# Altium PCB AGRSHUB_PCBV1.1.PcbDoc (part 1 of 2) (continued)
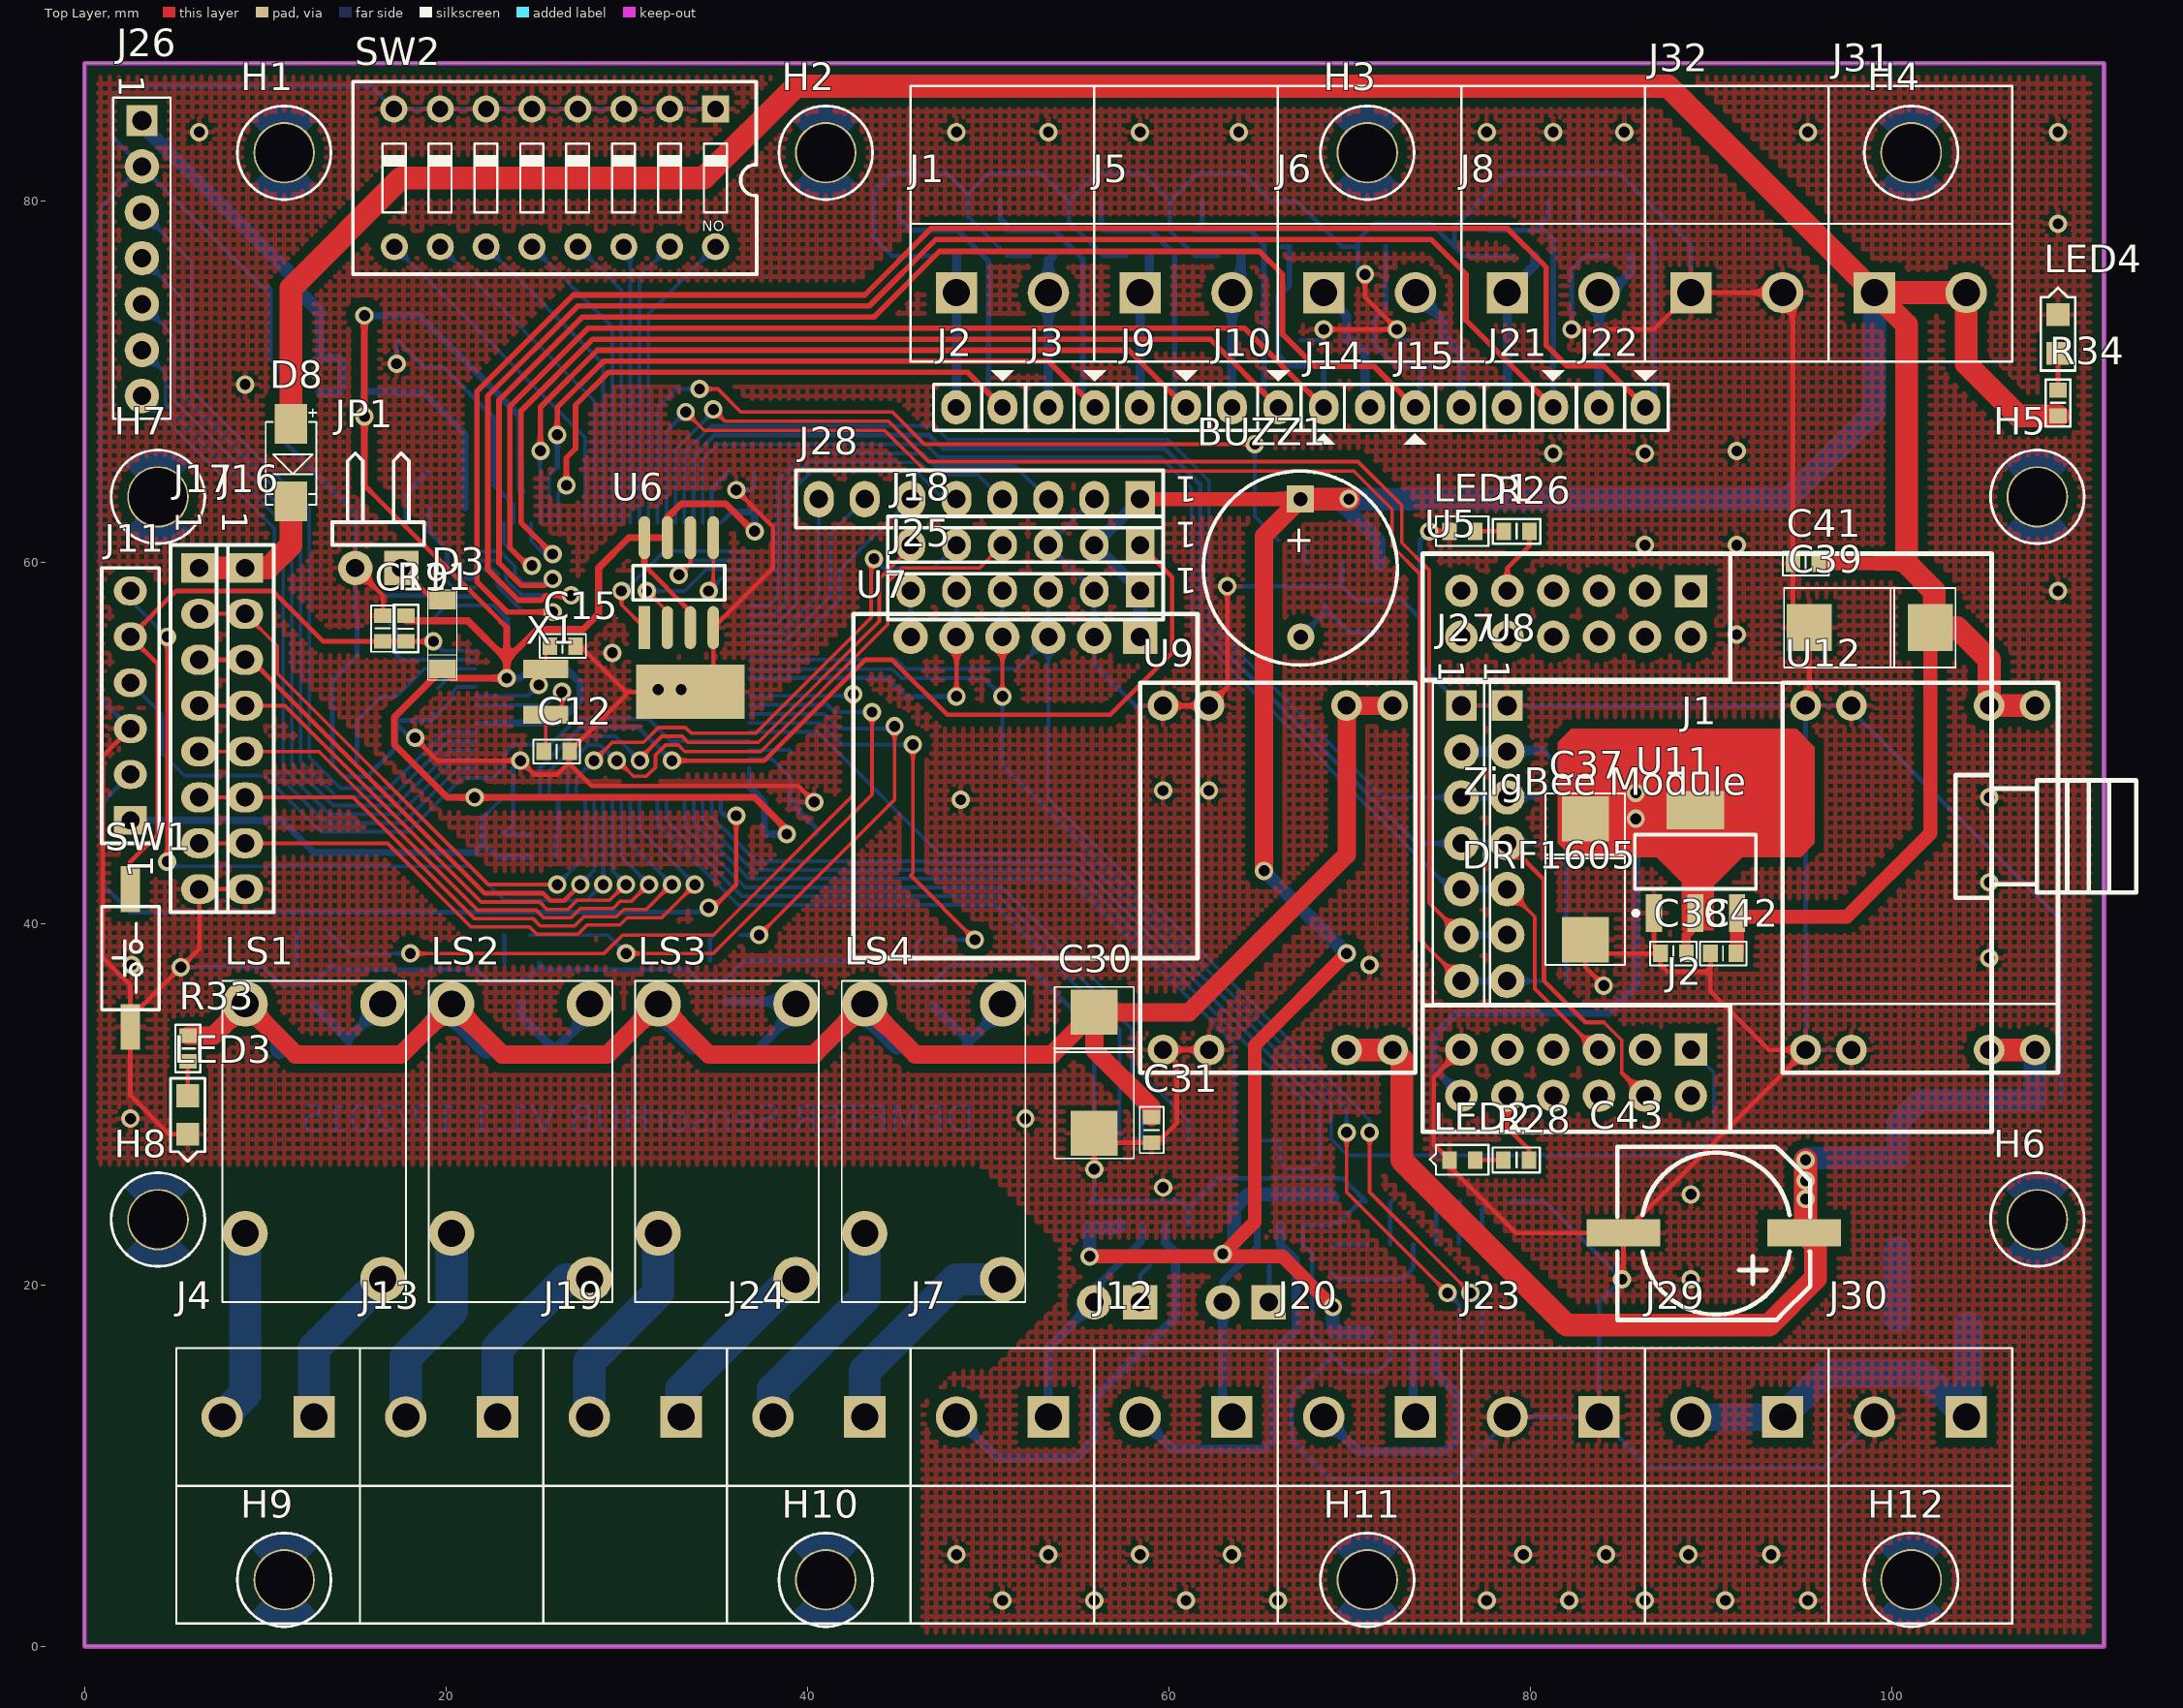
[diagram p0: Top Layer view]
## Components (designator, comment, footprint, x,y, rotation, side; value= is the part's Value field where it differs from the comment) (continued)
U5 "DRF1605" DRF1605 74.05,28.48 r0 top
U6 "MX25L8005MC-15G_SOP-8L" SOIC_8 30.988,56.388 r0 top
U7 "NEO-6M" "UBLOX NEO-6M Breakout" 58.42,55.88 r180 top
U8 "APC320" APC320 78.74,52.07 r270 top
U9 "DC 3A" "DC Mini 3A" 66.04,42.545 r90 top
U10 "XC6209B332MRN_SOT-25" SOT23-5 14.224,70.358 r0 bottom
U11 "LM1117" SOT223_L 89.154,43.434 r90 top
U12 "DC 3A" "DC Mini 3A" 101.6,42.545 r90 top
W1 "Jumper" "HEADER 2" 58.42,19.05 r180 bottom
W3 "Jumper" "HEADER 2" 65.532,19.05 r180 bottom
X1 "Crystal1" "Crystal cylinder" 25.528,51.562 r180 top
Y1 "12MHz_CXA-321" "CRYSTAL 5032" 16.18,53.061 r90 bottom

## Footprints (in the part's own frame and the unit in brackets; to place one, negate y for a bottom-side part, rotate by r counter-clockwise, add the part's x,y. Pads: shape width x height; smd on the part's side, far side on the other; paste and mask are expansions set on the pad)
0805_M [mm] "Chip Resistor, Body 2.0x1.2mm, IPC Low Density"
  rect 1.4x1.5 smd: 1(-1,0) 2(1,0)
  silkscreen extent 0,-0.65 0,0.65, body extent -1.07,-0.7 1.07,0.7, height 0.7
APC320 [mil]
  rect 67x67 hole 42: 1(0,0)
  round 75 / inner round 62 / far side round 75 hole 40: 2(100,0) 3(200,0) 4(300,0) 5(400,0) 6(500,0) 7(600,0)
  silkscreen extent -50,-50 650,1200, body extent -53,-53 652,2013, height 3076
C0603 [mil]
  rect 32x38 smd: 1(-27.56,0) 2(28.44,0)
  silkscreen extent -50,-26 51,26, body extent -31,-16 31,16, height 12
"CAP_AL_SMD (10X10.2)" [mil]
  rect 160x59.03 smd: 1(-196.63,-0.99) 2(196.86,-0.99)
  silkscreen extent -210,-189 210,189, body extent -197,-198 197,196, height 402
CAP_TANTA_SMD_10UF/10V/16V [mm]
  rect 1.2x1.3 smd: 1(0,-1.399) 2(0,1.399)
  silkscreen extent -0.8,-2.2 0.8,2.2, body extent -0.8,-1.7 0.8,1.7, height 1.6
CAP_TANTA_SMD_100UF/16V [mm]
  rect 2.6x2.5 smd: 1(0,-3.347) 2(0,3.347)
  silkscreen extent -2.2,-4.75 2.2,4.75, body extent -2.2,-3.65 2.1,3.85, height 2.8
"CRYSTAL 5032" [mm]
  rect 1.6x1.25 smd: 1(-1.803,-1.092) 2(1.803,-1.092) 3(1.803,1.092) 4(-1.803,1.092)
  silkscreen extent -3.18,-2.2 3.28,2.3
"Crystal cylinder" [mm] "Crystal footsprint type 1"
  rect 2.5x1 smd: 1(0,0) 2(0,-2.54)
  rect 6x3 smd: 3(-8,-1.27)
  body extent -10.02,-2.6 0.53,0.07, height 2.29
"DC Mini 3A" [mm]
  round 1.7 hole 1: 1(-9.525,6.35) 2(-9.525,3.81) 3(-9.525,-3.81) 4(-9.525,-6.35) 5(9.525,-6.35) 6(9.525,-3.81) 7(9.525,3.81) 8(9.525,6.35)
  silkscreen extent -10.79,-7.62 10.79,7.62, body extent -10.39,-7.21 10.39,7.21, height 2.54
DE_VIT [mil]
  round 134 hole 126: 1(0,0)
  Bottom Layer circle w6: c0,0 r102.73
  Bottom Layer region: 10.04,104.52 10.08,104.53 23.08,102.53 23.12,102.51 23.16,102.52 33.16,99.52 33.17,99.51 33.19,99.51 41.19,96.51 41.21,96.49 41.24,96.48 47.24,93.48 53.24,90.48 53.26,90.47 53.28,90.46 58.28,87.46 58.3,87.44 58.32,87.43 62.32,84.43 66.32,81.43 66.35,81.4 66.38,81.38 70.36,77.41 74.32,74.43 74.35,74.4 74.38,74.38 74.45,74.22 74.54,74.08 74.53,74.04 74.54,74 74.48,73.84 74.43,73.68 74.4,73.65 74.38,73.62 47.38,46.62 47,46.46 46.62,46.62 41.64,51.59 37.7,54.55 32.72,57.54 27.77,60.51 21.83,62.49 21.8,62.51 21.76,62.52 17.81,64.49 13.89,65.47 7.96,66.46 -7.96,66.46 -13.88,65.47 -20.83,63.49 -28.76,60.51 -33.71,57.54 -36.7,55.55 -39.7,53.55 -39.73,53.54 -39.76,53.52 -41.68,52.56 -48.62,45.62 -49,45.46 -49.38,45.62 -75.38,71.62 -75.44,71.76 -75.53,71.89 -75.52,71.95 -75.54,72 -75.48,72.15 -75.45,72.3 -73.45,75.3 -73.36,75.36 -73.3,75.45 -70.31,77.44 -66.36,80.41 -61.38,85.38 -61.33,85.4 -61.3,85.45 -55.3,89.45 -55.27,89.46 -55.24,89.48 -45.24,94.48 -35.24,99.48 -35.17,99.49 -35.12,99.53 -26.12,101.53 -26.11,101.53 -26.11,101.53 -16.11,103.53 -16.07,103.52 -16.04,103.54 -3.04,104.54 -3.02,104.53 -3,104.54 10,104.54
  Bottom Layer region: 47.05,-47.48 47.11,-47.47 47.24,-47.56 47.38,-47.62 73.38,-73.62 73.54,-74 73.38,-74.38 66.38,-81.38 66.33,-81.4 66.3,-81.45 63.31,-83.44 59.32,-86.43 59.3,-86.44 59.28,-86.46 54.3,-89.45 50.32,-92.43 50.24,-92.46 50.17,-92.51 44.23,-94.49 39.28,-97.46 39.22,-97.47 39.17,-97.51 33.21,-99.5 31.24,-100.48 31.17,-100.49 31.11,-100.53 26.12,-101.53 22.13,-102.52 18.13,-103.52 18.12,-103.52 18.11,-103.53 13.11,-104.53 13.05,-104.52 13,-104.54 -8,-104.54 -8.04,-104.53 -8.08,-104.54 -15.08,-103.54 -15.09,-103.53 -15.11,-103.53 -25.11,-101.53 -25.13,-101.52 -25.15,-101.52 -32.15,-99.52 -32.17,-99.51 -32.19,-99.51 -40.19,-96.51 -40.21,-96.49 -40.24,-96.48 -46.24,-93.48 -54.24,-89.48 -54.26,-89.47 -54.28,-89.46 -59.28,-86.46 -59.3,-86.43 -59.35,-86.42 -65.34,-81.42 -69.31,-78.44 -72.3,-76.45 -72.33,-76.4 -72.38,-76.38 -74.38,-74.38 -74.54,-74 -74.38,-73.62 -48.38,-47.62 -48.27,-47.57 -48.17,-47.49 -48.08,-47.49 -48,-47.46 -47.88,-47.51 -47.76,-47.52 -45.76,-48.52 -45.7,-48.58 -45.62,-48.62 -43.66,-50.58 -40.7,-52.55 -40.67,-52.6 -40.62,-52.62 -38.66,-54.58 -35.73,-56.53 -33.79,-57.5 -30.83,-58.49 -30.8,-58.51 -30.76,-58.52 -26.78,-60.51 -21.8,-62.5 -16.85,-64.48 -11.89,-65.47 -11.88,-65.48 -11.87,-65.48 -7.93,-66.46 6.96,-66.46 12.89,-65.47 16.87,-64.48 20.83,-63.48 25.78,-61.51 29.74,-59.53 34.72,-56.54 34.72,-56.54 39.66,-53.57 43.62,-49.62 43.67,-49.6 43.7,-49.55 46.7,-47.55 46.85,-47.52 47,-47.46
  silkscreen extent -102,-102 102,102
DIPSW8N [mm] "DIPS SWITCHES 8"
  rect 1.5x1.5 hole 0.9: 1(-0.011,0.001)
  round 1.5 hole 0.9: 2(2.529,0.001) 3(5.069,0.001) 4(7.609,0.001) 5(10.149,0.001) 6(12.689,0.001) 7(15.229,0.001) 8(17.789,0.001) 9(17.769,7.621) 10(15.229,7.621) 11(12.689,7.621) 12(10.149,7.621) 13(7.609,7.621) 14(5.069,7.621) 15(2.529,7.621) 16(-0.011,7.621)
  silkscreen extent -2.29,-1.52 20.07,9.14, body extent -2.01,-1.24 19.89,8.92, height 6.9
"DO-214AC (SMA)" [mm]
  rect 2.2x1.8 smd: 1(-2.148,0) 2(2.148,0)
  silkscreen extent -2.95,-1.4 2.35,1.4, body extent -2.55,-1.3 2.65,1.3, height 2.3
DO_213AA [mm]
  rect 1x1.499 smd: 1(-1.898,0) 2(1.898,0)
  silkscreen extent -2.5,-0.8 2.5,0.8, body extent -1.85,-0.8 1.85,0.8, height 1.63
"DOMINO BIG 2 STAND" [mil]
  rect 90x90 hole 59.03: 1(-100,0)
  round 90 hole 59.03: 2(100,0)
  silkscreen extent -200,-150 200,450
DRF1605 [mm]
  rect 1.8x1.8 hole 1: 1(14.85,29.925) 13(14.85,4.55)
  round 1.8 hole 1: 2(14.85,27.4) 3(12.31,29.95) 4(12.31,27.4) 5(9.77,29.95) 6(9.77,27.4) 7(7.23,29.95) 8(7.23,27.4) 9(4.69,29.95) 10(4.69,27.4) 11(2.15,29.95) 12(2.15,27.4) 14(14.85,2) 15(12.31,4.55) 16(12.31,2) 17(9.77,4.55) 18(9.77,2) 19(7.23,4.55) 20(7.23,2) 21(4.69,4.55) 22(4.69,2) 23(2.15,4.55) 24(2.15,2)
  silkscreen extent 0,0 39.5,32
"HEADER 2" [mil]
  rect 75x75 / inner round 62 / far side rect 75x75 hole 40: 1(0,0)
  round 75 / inner round 62 / far side round 75 hole 40: 2(100,0)
  silkscreen extent -63,-63 162,63
"Header 2-V" [mil] "Connector; Header; 2 Position; Vertical; Solder Pad 35mil"
  rect 75x75 hole 40: 1(0,0)
  round 75 hole 40: 2(100,0)
  silkscreen extent -50,-250 150,-50, body extent -50,-276 150,50, height 171
"HEADER 6" [mil]
  rect 62.99x72 hole 39: 1(0,0)
  oval 62.99x72 hole 39: 2(100,0) 3(200,0) 4(300,0) 5(400,0) 6(500,0)
  silkscreen extent -50,-62 550,63
"HEADER 7" [mil]
  rect 67x67 hole 42: 1(0,0)
  round 75 / inner round 62 / far side round 75 hole 40: 2(100,0) 3(200,0) 4(300,0) 5(400,0) 6(500,0) 7(600,0)
  silkscreen extent -50,-63 650,63
"HEADER 8" [mil]
  rect 65x79 hole 40: 1(0,0)
  oval 65x79 hole 40: 2(100,0) 3(200,0) 4(300,0) 5(400,0) 6(500,0) 7(600,0) 8(700,0)
  silkscreen extent -50,-63 750,63
JP2 [mil]
  oval 65x75 hole 36: 1(0,0) 2(101,0)
  silkscreen extent -50,-81 150,50, body extent -48,-50 148,48, height 323
PTC1812 [mm]
  rect 2.032x3.5 smd: 1(-2.7,0) 2(2.395,0)
  silkscreen extent -1.4,-1.5 1.14,1.5, body extent -2.67,-1.73 2.06,1.68, height 1.34
R0603 [mil]
  rect 32x38 smd: 1(-27.56,0) 2(28.44,0)
  silkscreen extent -51,-27 52,27, body extent -31,-16 31,16, height 18
RELAY_4PIN_5A_12 [mm]
  round 2.5 hole 1.5: 1(0,0) 2(0,7.62) 3(12.7,0) 4(15.24,7.62)
  silkscreen extent -1.27,-1.27 16.51,8.89, body extent -1.4,-1.4 16.64,9.02, height 15.24
SM/LED_0603 [mil]
  rect 32x38 smd: 1(-28,0) 2(28,0)
  silkscreen extent -58,-33 70,32, body extent -30,-20 30,20, height 31
SM/LED_0805 [mil]
  rect 50x50 smd: 1(-42,0) 2(42,0)
  silkscreen extent -80,-38 101,38, body extent -42,-29 42,29, height 31
SO8_L [mm] "SOIC, 8-Leads, Body 4.9x3.9mm, Pitch 1.27mm, IPC High Density"
  oval 1.9x0.6 smd: 1(-2.35,1.905) 2(-2.35,0.635) 3(-2.35,-0.635) 4(-2.35,-1.905) 5(2.35,-1.905) 6(2.35,-0.635) 7(2.35,0.635) 8(2.35,1.905)
  silkscreen extent -2.47,-2.5 1,2.88, body extent -2,-2.5 2,2.5, height 1.75
SOIC16_M [mm] "SOIC, 16-Leads, Body 9.9x3.9mm, Pitch 1.27mm, IPC Low Density"
  oval 2.5x0.7 smd: 1(-2.45,4.445) 2(-2.45,3.175) 3(-2.45,1.905) 4(-2.45,0.635) 5(-2.45,-0.635) 6(-2.45,-1.905) 7(-2.45,-3.175) 8(-2.45,-4.445) 9(2.45,-4.445) 10(2.45,-3.175) 11(2.45,-1.905) 12(2.45,-0.635) 13(2.45,0.635) 14(2.45,1.905) 15(2.45,3.175) 16(2.45,4.445)
  silkscreen extent -2.57,-5 0.8,5.47, body extent -2,-5 2,5, height 1.91
SOIC_8 [mil]
  rect 25x94 smd: 1(0,0)
  oval 25x94 smd: 2(50,0) 3(100,0) 4(150,0) 5(150,196) 6(100,196) 7(50,196) 8(0,196)
  silkscreen extent -25,60 175,136
SOT23-3 [mm] "SOT-23; 3 Leads; Body 3.1 x 2.5 mm, inc. leads (LxW max)"
  rect 0.9x0.95 smd: 1(-0.95,-1.175) 2(0.95,-1.175) 3(0,1.175)
  silkscreen extent -1.3,-0.3 1.3,1.18, body extent -1.5,-1.25 1.5,1.25, height 1.08
SOT23-5 [mm] "SOT23, 5-Leads, Body 2.9x1.6mm, Pitch 0.95mm, Lead Span 2.8mm, IPC Low Density"
  rect 1.3x0.635 smd: 1(-1.2,0.95) 2(-1.2,0) 3(-1.2,-0.95)
  rect 1.3x0.7 smd: 4(1.2,-0.95) 5(1.2,0.95)
  silkscreen extent -1.32,-1.55 0.15,1.97, body extent -0.9,-1.55 0.9,1.55, height 1.45
SOT223_L [mm] "SOT223, 4-Leads, Body 6.5x3.5mm, Pitch 2.3mm, Lead Span 7mm, IPC High Density"
  rect 2.1x0.9 smd: 1(-2.85,2.3) 2(-2.85,0) 3(-2.85,-2.3)
  rect 2.1x3.2 smd: 4(2.85,0)
  silkscreen extent -2.97,-3.35 1.5,3.42, body extent -1.85,-3.35 1.85,3.35, height 1.7
SOT-23B_N [mm] "SOT23, 3-Leads, Body 2.9x1.3mm, Pitch 0.95mm, Lead Span 2.4mm, IPC Medium Density"
  rect 1.15x0.6 smd: 1(-1.125,0.95) 2(-1.125,-0.95) 3(1.125,0)
  silkscreen extent -1.25,-1.5 0.7,1.92, body extent -0.7,-1.5 0.7,1.5, height 1.14
SPEAKER [mm]
  rect 1.5x1.5 hole 0.8: 1(0,0)
  round 1.5 hole 0.8: 2(7.62,0.013)
  silkscreen extent -1.55,-5.38 9.18,5.36, body extent -2.22,-6 13.24,6, height 4.5
"SW TACT" [mil]
  rect 100x42 smd: 1(-150,0) 2(150,0)
  silkscreen extent -112,-63 112,63
TSQFP50P1600X1600X160-100N [mm] "TSQFP, 100-Leads, Body 16.2x16.2mm (max), Pitch 0.50mm, IPC Medium Density"
  rect 1.75x0.23 smd: 1(-7.575,6) 2(-7.575,5.5) 3(-7.575,5) 4(-7.575,4.5) 5(-7.575,4) 6(-7.575,3.5) 7(-7.575,3) 8(-7.575,2.5) 9(-7.575,2) 10(-7.575,1.5) 11(-7.575,1) 12(-7.575,0.5) 13(-7.575,0) 14(-7.575,-0.5) 15(-7.575,-1) 16(-7.575,-1.5) 17(-7.575,-2) 18(-7.575,-2.5) 19(-7.575,-3) 20(-7.575,-3.5) 21(-7.575,-4) 22(-7.575,-4.5) 23(-7.575,-5) 24(-7.575,-5.5) 25(-7.575,-6) 51(7.575,-6) 52(7.575,-5.5) 53(7.575,-5) 54(7.575,-4.5) 55(7.575,-4) 56(7.575,-3.5) 57(7.575,-3) 58(7.575,-2.5) 59(7.575,-2) 60(7.575,-1.5) 61(7.575,-1) 62(7.575,-0.5) 63(7.575,0) 64(7.575,0.5) 65(7.575,1) 66(7.575,1.5) 67(7.575,2) 68(7.575,2.5) 69(7.575,3) 70(7.575,3.5) 71(7.575,4) 72(7.575,4.5) 73(7.575,5) 74(7.575,5.5) 75(7.575,6)
  rect 0.23x1.75 smd: 26(-6,-7.575) 27(-5.5,-7.575) 28(-5,-7.575) 29(-4.5,-7.575) 30(-4,-7.575) 31(-3.5,-7.575) 32(-3,-7.575) 33(-2.5,-7.575) 34(-2,-7.575) 35(-1.5,-7.575) 36(-1,-7.575) 37(-0.5,-7.575) 38(0,-7.575) 39(0.5,-7.575) 40(1,-7.575) 41(1.5,-7.575) 42(2,-7.575) 43(2.5,-7.575) 44(3,-7.575) 45(3.5,-7.575) 46(4,-7.575) 47(4.5,-7.575) 48(5,-7.575) 49(5.5,-7.575) 50(6,-7.575) 76(6,7.575) 77(5.5,7.575) 78(5,7.575) 79(4.5,7.575) 80(4,7.575) 81(3.5,7.575) 82(3,7.575) 83(2.5,7.575) 84(2,7.575) 85(1.5,7.575) 86(1,7.575) 87(0.5,7.575) 88(0,7.575) 89(-0.5,7.575) 90(-1,7.575) 91(-1.5,7.575) 92(-2,7.575) 93(-2.5,7.575) 94(-3,7.575) 95(-3.5,7.575) 96(-4,7.575) 97(-4.5,7.575) 98(-5,7.575) 99(-5.5,7.575) 100(-6,7.575)
  silkscreen extent -7.7,-6.3 6.3,6.82, body extent -7,-7 7,7, height 1.6
"UBLOX NEO-6M Breakout" [mil]
  rect 75x75 / inner round 62 / far side rect 75x75 hole 40: 1(0,0)
  round 75 / inner round 62 / far side round 75 hole 40: 2(100,0) 3(200,0) 4(300,0) 5(400,0) 6(500,0)
  silkscreen extent -125,-50 625,700, body extent -125,-55 625,700, height 98

## Part data
BUZZ1: library part Speaker, "Loudspeaker"
C1 C2 C3 C4 C5 C6 C7 C8 C9 C10 C11 C12 C13 C14 C15 C16 C17 C18 C19 C20 C21 C22 C23 C24 C25 C26 C27 C28 C29 C31 C34 C35 C38 C40 C41 C42: library part Cap_SMT, "CAP CER 0.1UF 16V Y5V 0402"
C30 C33 C36 C37 C39: library part Cap_TANTA, "CAP TANTA"
C32: "CAP TANTA"
C43: library part Cap_ALU, "CAP ALU"
D1 D2 D5 D6 D9 D10 D12 D13: "Zener Diode"
D3 D4 D7 D8 D11 D14 D15 D16: library part "D Schottky", "DIODE SCHOTTKY 40V 3A SMA"
J1 J4 J5 J6 J7 J8 J12 J13 J19 J20 J23 J24 J29 J30 J31 J32: library part "Header 2", "Header, 2-Pin"
J2 J3 J9 J10 J14 J15 J21 J22: library part "JP 2"
J11 J18: library part "Header 6"
J17 J28: library part "Header 8"
J26: library part "Header 7"
JP1: library part Con2, "Connector 2"
LED1 LED2 LED3 LED4: library part LED, "LED GREEN 0.2MM 13MCD 0402 SMD"
PPTC1: library part "Fuse 2", "POLYSWITCH .50A RESET FUSE SMD"
Q1 Q2 Q3 Q4 Q5: library part "NPN BEC", "TRANSISTOR NPN 50V 150MA"
Q6: library part "MOSFET-P GSD", "MOSFET P-CH 50V 130MA SOT23-3"
R1 R2 R3 R4 R6 R7 R9 R10 R11 R13 R14 R16 R17 R18 R19 R20 R21 R23 R24 R27: library part R_SMD1, "Resistor SMD 1%"
R5 R8 R12 R15 R22 R25 R26 R28 R29 R30 R31 R32 R33 R34: library part R_SMD5, "Resistor SMD 5%"
SW2: library part "SW DIP-8", "DIP Switch, 8 Position, SPST"
U7: library part "UBLOX NEO-6M Breakout"
U9 U12: library part "DC Mini 3A"
U10: library part XC6209B, "IC REG LDO 3.3V .3A SOT-25"
W1 W3: "Jumper Wire"
X1: "Tuning Forl Crystal Units (SMD-Cylinder Type)"
Y1: library part CRYSTAL-SMT, "NX3225SA-12MHZ-STD-CSR-6"

## Via types
v1: diameter 1.016, hole 0.61, Top Layer to Bottom Layer, 133 vias

## Nets (pads, with @x,y where several pads share a name; then routed paths per layer and width w, separated by ;. In a path a pad name is that pad's centre, name@x,y a point inside that pad or via, vN(x,y) a via of type N, cw(c..) or ccw(c..) an arc to the next point about the centre after c; other vN are vias at no path point)
3V3: C37.1 C38.2 Q6.2 R29.2 U5.24 U11.2 U11.4 | length 46.2
  Top Layer w0.508: C37.1@83.058,45.81 v1(85.852,45.81) ; v1(85.852,47.244) v1(85.852,45.81) ; C38.2@88.646,38.354 88.646,39.37 89.154,39.878 U11.2@89.154,40.584 U11.4@89.154,46.284 88.68,45.81 v1(85.852,45.81)
  Bottom Layer w0.381: U5.24@76.2,30.48 74.676,32.004 74.676,33.782 75.946,35.052 84.328,35.052
  Bottom Layer w0.508: Q6.2@83.058,48.646 83.088,48.616 R29.2@84.582,48.616 85.852,47.346 v1(85.852,47.244) 85.852,36.576 84.328,35.052
5V: BUZZ1.1 C1.2 C14.2 C21.2 C32.1 C34.2 C39.1 C41.2 C42.2 D8.1 D15.2 J18.2 J25.1 J26.1 J28.1 J31.1 J31.2 R34.2 U1.8 U3.8 U4.16 U7.1 U10.1 U10.3 U11.3 U12.5 U12.6 | length 443.8
  Top Layer w0.762: v1(55.626,21.59) 66.294,21.59 v1(69.088,18.796) ; J28.1@58.42,63.5 BUZZ1.1@67.297,63.5 ; v1(62.992,21.717) 64.77,23.495 64.77,33.274 v1(69.85,38.354) ; C42.2@91.4,38.354 91.454,38.408 U11.3@91.454,40.386 ; U11.3@91.454,40.584 U11.3@91.454,40.386 ; C41.2@95.972,59.944 100.838,59.944 ; C39.1@102.362,56.388 C39.1@102.153,56.388 102.153,45.003 97.536,40.386 U11.3@91.454,40.386
  Top Layer w1.016: v1(65.278,42.926) 65.278,61.481 BUZZ1.1@67.297,63.5
  Top Layer w1.27: D8.1@11.43,67.68 11.43,75.184 17.526,81.28 34.29,81.28 39.37,86.36 87.63,86.36 J31.1@99.06,74.93 ; BUZZ1.1@67.297,63.5 v1(69.977,63.5) ; U12.5@107.95,52.07 U12.6@105.41,52.07 105.41,54.61 103.632,56.388 102.362,56.388 102.362,58.42 100.838,59.944 100.838,73.152 J31.1@99.06,74.93 ; R34.2@109.22,68.112 107.021,68.112 104.14,70.993 J31.2@104.14,74.93 J31.1@99.06,74.93
  Bottom Layer w0.508: U10.1@13.024,69.408 14.036,69.408 14.224,69.596 14.224,71.12 14.036,71.308 U10.3@13.024,71.308 C32.1@13.024,73.844
  Bottom Layer w0.635: J25.1@58.42,58.42 J18.2@55.88,60.96 J28.1@58.42,63.5
  Bottom Layer w0.762: J26.1@3.175,84.455 3.175,84.201 C34.2@11.918,75.458 ; C34.2@11.644,75.184 C34.2@11.664,75.204 ; C32.1@13.024,73.844 C34.2@11.664,75.204 ; v1(55.626,21.59) C1.2@55.626,23.154 57.127,23.154 U1.8@57.277,23.304 ; U7.1@58.42,55.88 J25.1@58.42,58.42 ; v1(62.992,21.717) 63.119,21.717 63.627,22.225 U3.8@63.627,23.304 63.627,24.257 64.389,25.019 68.921,25.019 C14.2@69.088,24.852 ; v1(65.278,42.926) v1(69.85,38.354) ; v1(69.088,18.796) C21.2@69.088,17.486 69.212,17.362 U4.16@70.993,17.362 ; 69.342,63.5 71.628,61.214 D15.2@71.628,59.93 ; J31.1@99.06,74.93 87.63,86.36 39.116,86.36 34.036,81.28 17.74,81.28 C34.2@11.918,75.458 ; C34.2@11.664,75.204 C34.2@11.918,75.458
  Bottom Layer w1.27: BUZZ1.1@67.297,63.5 69.342,63.5 v1(69.977,63.5) 94.234,63.5 99.06,68.326 J31.1@99.06,74.93 ; U12.6@105.41,52.07 U12.5@107.95,52.07
5VPOW: C30.1 C31.2 D4.2 D7.2 D11.2 D14.2 LS1.1 LS2.1 LS3.1 LS4.1 R33.2 U9.5 U9.6 | length 110.8
  Top Layer w1.016: R33.2@5.715,33.807 7.137,33.807 LS1.1@8.89,35.56 11.684,32.766 17.526,32.766 LS2.1@20.32,35.56 23.114,32.766 28.956,32.766 LS3.1@31.75,35.56 34.544,32.766 40.386,32.766 LS4.1@43.18,35.56 45.974,32.766 53.549,32.766 C30.1@55.88,35.097 ; C31.2@59.055,29.297 59.055,29.845 55.88,33.02 C30.1@55.88,35.097 ; U9.5@72.39,52.07 U9.6@69.85,52.07 69.85,43.815 61.132,35.097 C30.1@55.88,35.097
  Bottom Layer w1.016: LS1.1@8.89,35.56 10.802,33.648 D4.2@10.802,33.02 ; LS2.1@20.32,35.56 20.32,34.932 D7.2@22.232,33.02 ; LS3.1@31.75,35.56 31.75,35.186 D11.2@33.662,33.274 ; LS4.1@43.18,35.56 43.18,35.066 D14.2@44.972,33.274 ; U9.6@69.85,52.07 U9.5@72.39,52.07
485M_RW: U2.77 U3.2 U3.3 | length 49.4
  Bottom Layer w0.203: U2.77@34.71,47.035 34.71,45.918 37.169,43.459 47.08,43.459 47.105,43.434 54.869,43.434 68.326,29.977 68.326,26.924 67.818,26.416 66.548,26.416 66.167,26.797 U3.3@66.167,28.004 U3.2@64.897,28.004
485M_RX: U2.79 U3.1 | length 41.8
  Bottom Layer w0.203: U2.79@33.71,47.035 33.71,45.553 36.769,42.494 54.516,42.494 63.627,33.383 U3.1@63.627,28.004
485M_TX: U2.78 U3.4 | length 43.2
  Bottom Layer w0.203: U2.78@34.21,47.035 34.21,45.736 36.969,42.977 54.68,42.977 67.437,30.22 U3.4@67.437,28.004
485S_RW: U1.2 U1.3 U2.82 | length 39.5
  Bottom Layer w0.203: U2.82@32.21,47.035 32.21,45.688 36.369,41.529 50.593,41.529 57.937,34.185 57.937,30.28 58.547,29.671 U1.2@58.547,28.004 U1.3@59.817,28.004
485S_RX: U1.1 U2.83 | length 38
  Bottom Layer w0.203: U2.83@31.71,47.035 31.71,45.506 36.17,41.046 50.394,41.046 57.277,34.163 U1.1@57.277,28.004
485S_TX: U1.4 U2.80 | length 38.9
  Bottom Layer w0.203: U2.80@33.21,47.035 33.21,45.371 36.569,42.012 50.793,42.012 58.42,34.385 58.42,31.75 61.087,29.083 U1.4@61.087,28.004
A00: C8.2 D1.2 J2.1 R1.1 R3.2 U2.32 | length 47.4
  Top Layer w0.305: v1(26.67,64.262) 26.67,65.786 27.178,66.294 27.178,68.707 28.994,70.523 48.857,70.523 J2.1@50.8,68.58
  Bottom Layer w0.203: U2.32@26.21,62.185 26.21,63.802 v1(26.67,64.262)
  Bottom Layer w0.305: D1.2@45.092,80.01 45.092,79.013 C8.2@45.72,78.384 R3.2@46.99,78.384 R1.1@48.26,78.384 48.319,78.384 50.038,76.666 50.038,69.342 J2.1@50.8,68.58
A01: C9.2 D2.2 J3.1 R2.1 R4.2 U2.31 | length 53.7
  Top Layer w0.305: v1(26.162,67.056) 26.162,68.58 28.715,71.133 53.353,71.133 J3.1@55.905,68.58
  Bottom Layer w0.203: U2.31@25.71,62.185 25.71,64.826 26.162,65.278
  Bottom Layer w0.305: 26.162,65.278 v1(26.162,67.056) ; D2.2@50.68,80.01 50.68,79.013 C9.2@51.308,78.384 ; C9.2@51.054,78.384 C9.2@51.308,78.384 ; J3.1@55.905,68.58 55.245,69.24 55.245,76.793 53.653,78.384 R2.1@53.594,78.384 R4.2@52.324,78.384 C9.2@51.308,78.384
A02: C17.2 D5.2 J9.1 R9.1 R13.2 U2.30 | length 59.7
  Top Layer w0.305: v1(25.233,66.178) 25.233,68.594 28.382,71.742 57.798,71.742 J9.1@60.96,68.58
  Bottom Layer w0.203: U2.30@25.21,62.185 v1@25.21,66.154
  Bottom Layer w0.305: v1@25.21,66.154 v1(25.233,66.178) ; D5.2@56.268,80.01 56.268,78.505 C17.2@56.388,78.384 R13.2@57.658,78.384 R9.1@58.928,78.384 58.987,78.384 60.325,77.047 60.325,69.215 J9.1@60.96,68.58
A03: C18.2 D6.2 J10.1 R10.1 R14.2 U2.29 | length 71.5
  Top Layer w0.305: v1(25.908,60.452) 24.155,62.205 24.155,68.378 28.129,72.352 62.293,72.352 J10.1@66.065,68.58
  Bottom Layer w0.203: U2.29@24.71,62.185 24.71,61.192 25.45,60.452 v1(25.908,60.452)
  Bottom Layer w0.305: D6.2@61.856,80.01 61.856,78.772 C18.2@61.468,78.384 R14.2@62.738,78.384 R10.1@64.008,78.384 64.491,78.384 65.278,77.597 65.278,69.367 J10.1@66.065,68.58
A04: C22.2 D9.2 J14.1 R16.1 R18.2 U2.26 | length 74.4
  Top Layer w0.305: v1(24.765,59.817) 24.529,59.817 23.546,60.8 23.546,68.631 27.877,72.962 64.198,72.962 J14.1@68.58,68.58
  Bottom Layer w0.203: U2.26@23.21,62.185 23.21,61.075 v1@24.634,59.651
  Bottom Layer w0.305: v1@24.634,59.651 24.805,59.651 v1@24.843,59.69 ; D9.2@66.294,77.47 D9.2@66.682,77.47 66.682,75.318 66.04,74.676 66.04,71.501 66.675,70.866 C22.2@67.31,70.866 R18.2@68.58,70.866 ; J14.1@68.58,68.58 R18.2@68.58,70.866 ; R16.1@69.85,70.866 R18.2@68.58,70.866
A05: C23.2 D10.2 J15.1 R17.1 R19.2 U2.25 | length 90.4
  Top Layer w0.305: v1@25.679,59.207 25.939,59.207 25.456,58.725 24.179,58.725 22.936,59.967 22.936,68.964 27.556,73.584 43.685,73.584 47.317,77.216 65.024,77.216 66.294,75.946 66.294,72.644 68.097,70.841 71.374,70.841 J15.1@73.635,68.58
  Bottom Layer w0.203: U2.25@21.635,60.61 22.993,60.61 23.831,59.772 23.831,59.294 24.324,58.801
  Bottom Layer w0.305: 24.324,58.801 25.594,58.801 25.908,59.115 v1(25.908,59.08) ; D10.2@72.016,77.47 72.016,74.048 71.374,73.406 71.374,72.077 72.585,70.866 C23.2@72.644,70.866 R19.2@73.914,70.866 ; J15.1@73.635,68.58 73.914,68.859 R19.2@73.914,70.866 ; R17.1@75.184,70.866 R19.2@73.914,70.866
A06: C28.2 D12.2 J21.1 R20.1 R23.2 U2.24 | length 104.4
  Top Layer w0.305: v1(26.924,58.166) 26.835,58.077 26.376,58.077 26.287,58.166 25.529,58.166 25.275,57.912 24.003,57.912 22.327,59.588 22.327,69.216 27.304,74.193 43.433,74.193 47.116,77.876 74.524,77.876 76.454,75.946 76.454,73.406 J21.1@81.28,68.58
  Bottom Layer w0.203: U2.24@21.635,60.11 22.81,60.11 23.348,59.572 23.348,59.024 24.206,58.166
  Bottom Layer w0.305: 24.206,58.166 v1(26.924,58.166) ; C28.2@77.724,78.384 R23.2@78.994,78.384 R20.1@80.264,78.384 ; D12.2@81.026,80.01 81.026,79.146 R20.1@80.264,78.384 ; J21.1@81.28,68.58 81.28,77.851 80.747,78.384 R20.1@80.264,78.384
A07: C29.2 D13.2 J22.1 R21.1 R24.2 U2.23 | length 111.3
  Top Layer w0.305: v1(25.908,57.252) 23.393,57.252 21.717,58.928 21.717,69.469 27.051,74.803 43.18,74.803 46.863,78.486 78.74,78.486 80.899,76.327 80.899,72.009 82.042,70.866 84.099,70.866 J22.1@86.385,68.58
  Bottom Layer w0.203: U2.23@21.635,59.61 22.628,59.61 22.866,59.372 22.866,58.668 24.282,57.252 v1(25.908,57.252)
  Bottom Layer w0.305: D13.2@82.684,80.01 82.684,78.759 C29.2@83.058,78.384 R24.2@84.328,78.384 R21.1@85.598,78.384 86.081,78.384 86.868,77.597 86.868,69.063 J22.1@86.385,68.58
ADD0: SW2.16 U2.42 | length 16.8
  Bottom Layer w0.203: U2.42@31.21,62.185 31.21,73.755 SW2.16@34.925,77.47
ADD1: SW2.15 U2.41 | length 16
  Bottom Layer w0.203: U2.41@30.71,62.185 30.71,75.795 SW2.15@32.385,77.47
ADD2: SW2.14 U2.40 | length 15.4
  Bottom Layer w0.203: SW2.14@29.845,77.47 30.21,77.105 U2.40@30.21,62.185
ADD3: SW2.13 U2.39 | length 16.3
  Bottom Layer w0.203: SW2.13@27.305,77.47 29.71,75.065 U2.39@29.71,62.185
ADD4: SW2.12 U2.38 | length 17.1
  Bottom Layer w0.203: SW2.12@24.765,77.47 29.21,73.025 U2.38@29.21,62.185
ADD5: SW2.11 U2.37 | length 18
  Bottom Layer w0.203: SW2.11@22.225,77.47 28.71,70.985 U2.37@28.71,62.185
ADD6: SW2.10 U2.36 | length 18.8
  Bottom Layer w0.203: SW2.10@19.685,77.47 28.21,68.945 U2.36@28.21,62.185
ADD7: SW2.9 U2.35 | length 19.7
  Bottom Layer w0.203: SW2.9@17.145,77.47 27.71,66.905 U2.35@27.71,62.185
AI00: J1.1 J2.2 R1.2 | length 8.4
  Bottom Layer w0.254: J2.2@48.235,68.58 J2.2@48.26,68.605
  Bottom Layer w0.508: J2.2@48.26,68.605 J1.1@48.26,74.93 R1.2@48.26,76.962
AI01: J1.2 J3.2 R2.2 | length 8.5
  Bottom Layer w0.508: J3.2@53.34,68.58 J1.2@53.34,74.93 53.34,76.708 R2.2@53.594,76.962
AI02: J5.1 J9.2 R9.2 | length 8.6
  Bottom Layer w0.508: J9.2@58.395,68.58 58.42,68.605 J5.1@58.42,74.93 58.928,75.438 R9.2@58.928,76.962
AI03: J5.2 J10.2 R10.2 | length 8.6
  Bottom Layer w0.508: J10.2@63.5,68.58 J5.2@63.5,74.93 64.008,75.438 R10.2@64.008,76.962
AI04: J6.1 J14.2 R16.2 | length 7.6
  Bottom Layer w0.508: J6.1@68.58,74.93 69.85,73.66 R16.2@69.85,72.288 70.206,72.288 70.866,71.628 70.866,68.859 J14.2@71.145,68.58
AI05: J6.2 J15.2 R17.2 | length 7.5
  Bottom Layer w0.508: J6.2@73.66,74.93 75.184,73.406 R17.2@75.184,72.288 75.413,72.288 76.2,71.501 J15.2@76.2,68.58
AI06: J8.1 J21.2 R20.2 | length 9
  Bottom Layer w0.508: J21.2@78.715,68.58 78.74,68.605 J8.1@78.74,74.93 80.264,76.454 R20.2@80.264,76.962
AI07: J8.2 J22.2 R21.2 | length 9.5
  Bottom Layer w0.508: J22.2@83.82,68.58 J8.2@83.82,74.93 84.455,74.93 85.598,76.073 R21.2@85.598,76.962
BLE_BRK: J18.6 U2.95 | length 29.5
  Top Layer w0.203: v1(30.734,49.022) 30.734,49.148 31.954,50.368 33.07,50.368 33.4,50.038 37.292,50.038 43.993,56.739 43.993,59.092 45.72,60.82 J18.6@45.72,60.96
  Bottom Layer w0.203: U2.95@25.71,47.035 25.71,48.442 27.636,50.368 29.388,50.368 v1(30.734,49.022)
BLE_STATE: J18.1 U2.96 | length 50
  Top Layer w0.254: v1(32.512,49.022) 37.605,49.022 43.193,54.61 44.704,54.61 47.752,51.562 56.769,51.562 60.198,54.991 60.198,59.182 J18.1@58.42,60.96
  Bottom Layer w0.254: U2.96@25.21,47.035 25.21,48.624 27.436,50.851 30.683,50.851 v1(32.512,49.022)
BOOT0: R6.1 R7.1 U2.94 | length 3.4
  Bottom Layer w0.254: R6.1@26.1,43.688 R7.1@26.1,44.958 26.21,45.068 U2.94@26.21,47.035
BUZZ: R27.1 U2.43 | length 47
  Top Layer w0.203: v1(34.036,69.596) 35.052,69.596 36.322,68.326 44.704,68.326 46.482,66.548 v1(64.77,66.548)
  Bottom Layer w0.203: U2.43@31.71,62.185 31.71,68.54 32.766,69.596 v1(34.036,69.596) ; v1(64.77,66.548) 64.77,62.546 R27.1@66.102,61.214